# KiCad board TKEEB.kicad_pcb (continued)
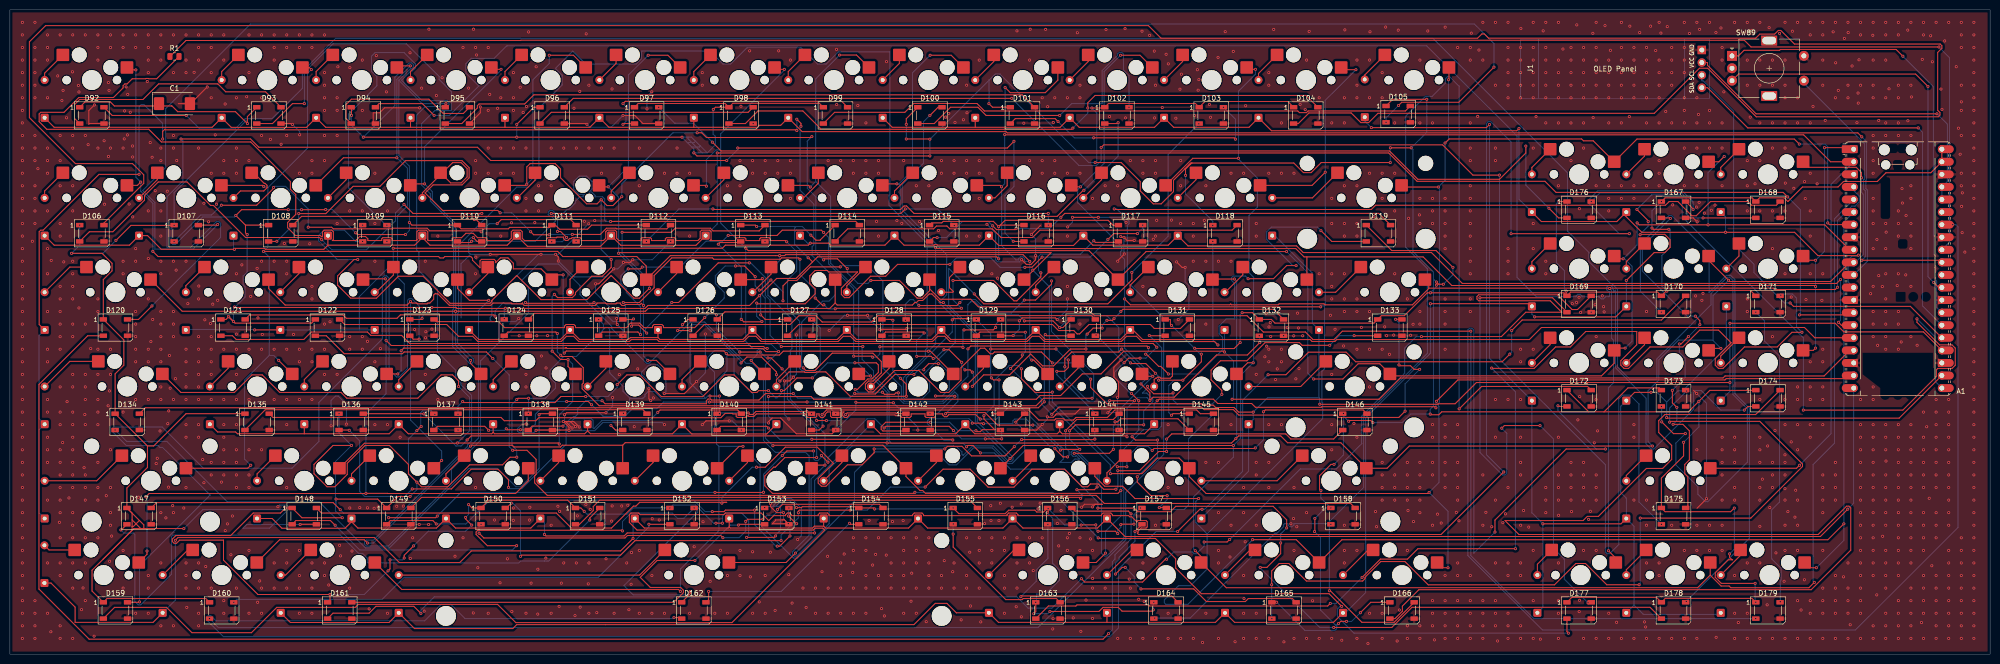
[diagram p0: board, top side]
## Routing (per net, layer and track width the routed paths; a pad name or vN(x,y) marks a point on that pad's centre or on a via; arc(x,y) is an arc through that point) (continued)
  vias: v1(2.51,127.63) v1(2.51,125.09) v1(2.51,122.55) v1(2.51,120.01) v1(2.51,117.47) v1(2.51,114.93) v1(2.51,112.39) v1(2.51,109.85) v1(2.51,107.31) v1(2.51,104.77) v1(2.51,102.23) v1(2.51,99.69) v1(2.51,97.15) v1(2.51,94.61) v1(2.51,92.07) v1(2.51,89.53) v1(2.51,86.99) v1(2.51,84.45) v1(2.51,81.91) v1(2.51,79.37) v1(2.51,76.83) v1(2.51,74.29) v1(2.51,71.75) v1(2.51,69.21) v1(2.51,66.67) v1(2.51,64.13) v1(2.51,61.59) v1(2.51,59.05) v1(2.51,56.51) v1(2.51,53.97) v1(2.51,51.43) v1(2.51,48.89) v1(2.51,46.35) v1(2.51,43.81) v1(2.51,41.27) v1(2.51,38.73) v1(2.51,36.19) v1(2.51,33.65) v1(2.51,31.11) v1(2.51,28.57) v1(2.51,26.03) v1(2.51,23.49) v1(2.51,20.95) v1(2.51,18.41) v1(2.51,15.87) v1(2.51,13.33) v1(2.51,10.79) v1(2.51,8.25) v1(2.51,5.71) v1(2.51,3.17) v1(4.53,83.41) v1(5.05,127.63) v1(5.05,122.55) v1(5.05,120.01) v1(5.05,117.47) v1(5.05,114.93) v1(5.05,112.39) v1(5.05,104.77) v1(5.05,102.23) v1(5.05,99.69) v1(5.05,94.61) v1(5.05,92.07) v1(5.05,89.53) v1(5.05,86.99) v1(5.05,10.79) v1(5.05,8.25) v1(5.05,5.71) v1(5.05,3.17) v1(5.65,98.08) v1(7.59,125.09) v1(7.59,122.55) v1(7.59,120.01) v1(7.59,112.39) v1(7.59,102.23) v1(7.59,99.69) v1(7.59,97.15) v1(7.59,89.53) v1(7.59,81.91) v1(7.59,76.83) v1(7.59,69.21) v1(7.59,61.59) v1(7.59,59.05) v1(7.59,51.43) v1(7.59,48.89) v1(7.59,43.81) v1(7.59,41.27) v1(7.59,38.73) v1(7.59,31.11) v1(7.59,18.41) v1(7.59,8.25) v1(8.26,4.51) v1(8.33,79.54) v1(9.64,116.81) v1(9.98,26.63) v1(10.13,125.09) v1(10.13,104.77) v1(10.13,99.69) v1(10.13,94.61) v1(10.13,86.99) v1(10.13,84.45) v1(10.13,74.29) v1(10.13,71.75) v1(10.13,69.21) v1(10.13,66.67) v1(10.13,64.13) v1(10.13,61.59) v1(10.13,53.97) v1(10.13,48.89) v1(10.13,46.35) v1(10.13,41.27) v1(10.13,38.73) v1(10.13,36.19) v1(10.13,33.65) v1(10.13,31.11) v1(10.13,28.57) v1(10.13,23.49) v1(10.13,18.41) v1(10.13,15.87) v1(10.13,5.71) v1(10.13,3.17) v1(10.49,111.85) v1(10.72,113.89) v1(10.64,42.74) v1(10.86,79.24) v1(11.42,108.35) v1(11.53,51.01) v1(11.91,31.55) v1(12.67,125.09) v1(12.62,117.64) v1(12.67,104.77) v1(12.67,102.23) v1(12.67,94.61) v1(12.67,89.53) v1(12.67,79.37) v1(12.67,76.83) v1(12.67,74.29) v1(12.67,71.75) v1(12.67,66.67) v1(12.67,64.13) v1(12.67,56.51) v1(12.67,53.97) v1(12.67,48.89) v1(12.67,46.35) v1(12.67,43.81) v1(12.67,41.27) v1(12.67,38.73) v1(12.67,36.19) v1(12.67,33.65) v1(12.67,28.57) v1(12.67,26.03) v1(12.67,23.49) v1(12.67,18.41) v1(12.67,13.33) v1(12.67,3.17) v1(13.81,114.89) v1(13.93,113.57) v1(13.92,69.93) v1(14.45,8.98) v1(14.75,13.37) v1(14.96,37.67) v1(15.11,48.4) v1(15.21,125.09) v1(15.21,104.77) v1(15.21,66.67) v1(15.21,56.51) v1(15.21,53.97) v1(15.21,51.43) v1(15.21,46.35) v1(15.21,36.19) v1(15.21,33.65) v1(15.21,31.11) v1(15.21,23.49) v1(15.21,18.41) v1(15.21,10.79) v1(15.78,102.93) v1(16.3,61.73) v1(16.98,3.62) v1(17.75,125.09) v1(17.75,122.55) v1(17.75,120.01) v1(17.75,102.23) v1(17.75,71.75) v1(17.75,69.21) v1(17.75,61.59) v1(17.75,56.51) v1(17.75,51.43) v1(17.75,48.89) v1(17.75,46.35) v1(17.75,38.73) v1(17.75,33.65) v1(17.75,31.11) v1(17.75,23.49) v1(19,103.71) v1(19.08,90.89) v1(19.44,32) v1(19.82,50.17) v1(19.86,115.47) v1(19.88,100.54) v1(20,113.89) v1(20.1,53.17) v1(20.12,18.76) v1(20.29,125.09) v1(20.29,122.55) v1(20.29,102.23) v1(20.29,69.21) v1(20.29,61.59) v1(20.29,56.51) v1(20.29,41.27) v1(20.29,33.65) v1(20.29,28.57) v1(20.29,26.03) v1(20.52,23.85) v1(22.83,125.09) v1(22.83,122.55) v1(22.83,102.23) v1(22.83,79.37) v1(22.83,76.83) v1(22.83,69.21) v1(22.83,48.89) v1(22.83,20.95) v1(22.83,13.33) v1(23.07,104.09) v1(23.14,109.74) v1(23.44,114.59) v1(23.71,104.89) v1(23.76,113.09) v1(24.05,90.93) v1(24.28,109.47) v1(24.73,102.65) v1(24.76,100.43) v1(24.78,88.33) v1(25.37,125.09) v1(25.37,122.55) v1(25.37,81.91) v1(25.37,79.37) v1(25.37,69.21) v1(25.37,66.67) v1(25.37,64.13) v1(25.37,61.59) v1(25.37,59.05) v1(25.37,51.43) v1(25.37,8.25) v1(25.98,31.7) v1(27.71,115.7) v1(27.91,125.09) v1(27.91,122.55) v1(27.91,120.01) v1(27.91,117.47) v1(27.91,89.53) v1(27.91,71.75) v1(27.91,61.59) v1(27.91,59.05) v1(27.91,51.43) v1(27.91,15.87) v1(27.91,13.33) v1(27.91,8.25) v1(27.92,79.92) v1(28.3,103.35) v1(28.44,63.15) v1(28.68,100.38) v1(28.81,67.62) v1(29.31,93.62) v1(29.51,38.5) v1(29.73,39.56) v1(30.28,45.08) v1(30.45,125.09) v1(30.45,122.55) v1(30.45,120.01) v1(30.45,102.23) v1(30.45,99.69) v1(30.45,89.53) v1(30.45,84.45) v1(30.45,79.37) v1(30.45,76.83) v1(30.45,69.21) v1(30.45,66.67) v1(30.45,64.13) v1(30.45,61.59) v1(30.45,59.05) v1(30.45,53.97) v1(30.45,51.43) v1(30.45,28.57) v1(30.45,18.41) v1(30.45,5.71) v1(31.47,27.52) v1(31.74,93.52) v1(31.84,46.55) v1(32,33.73) v1(32.04,49.13) v1(32.17,60.32) v1(32.33,53.72) v1(32.84,30) v1(32.99,125.09) v1(32.99,117.47) v1(32.99,104.77) v1(32.99,102.23) v1(32.99,79.37) v1(32.99,69.21) v1(32.99,66.67) v1(32.99,64.13) v1(32.99,51.43) v1(32.99,28.57) v1(32.99,5.71) v1(33.39,55.64) v1(33.53,77.58) v1(33.66,99.72) v1(35.07,29.51) v1(35.53,125.09) v1(35.53,120.01) v1(35.53,117.47) v1(35.53,79.37) v1(35.53,61.59) v1(35.53,59.05) v1(35.53,56.51) v1(35.53,53.97) v1(35.53,51.43) v1(35.53,46.35) v1(35.53,43.81) v1(35.53,33.65) v1(35.53,18.41) v1(35.53,15.87) v1(35.53,13.33) v1(35.68,9.43) v1(35.89,70.8) v1(37.16,117.53) v1(38.07,125.09) v1(38.07,122.55) v1(38.07,120.01) v1(38.07,102.23) v1(38.1,74.36) v1(38.07,71.75) v1(38.07,64.13) v1(38.07,61.59) v1(38.07,59.05) v1(38.07,56.51) v1(38.07,53.97) v1(38.07,51.43) v1(38.07,46.35) v1(38.07,43.81) v1(38.07,18.41) v1(38.07,13.33) v1(38.07,8.25) v1(38.07,5.71) v1(38.89,39.3) v1(39.14,91.09) v1(39.14,34.63) v1(39.32,67.54) v1(39.51,17.69) v1(40.08,87.34) v1(40.44,66.79) v1(40.61,125.09) v1(40.61,122.55) v1(40.61,117.47) v1(40.61,112.39) v1(40.61,97.15) v1(40.61,64.13) v1(40.61,61.59) v1(40.61,59.05) v1(40.61,56.51) v1(40.61,51.43) v1(40.61,38.73) v1(40.61,36.19) v1(40.61,13.33) v1(40.92,70.7) v1(41.42,104.9) v1(41.67,90.89) v1(41.92,71.48) v1(42.68,34.75) v1(43.15,125.09) v1(43.15,120.01) v1(43.15,99.69) v1(43.15,97.15) v1(43.15,61.59) v1(43.15,51.43) v1(43.15,46.35) v1(43.15,43.81) v1(43.15,41.27) v1(43.15,38.73) v1(43.15,36.19) v1(43.15,10.79) v1(43.15,8.25) v1(43.42,111.14) v1(43.44,24.94) v1(43.89,26.31) v1(44.58,20.07) v1(44.88,27.9) v1(45.69,112.39) v1(45.69,102.23) v1(45.69,99.69) v1(45.69,97.15) v1(45.69,76.83) v1(45.68,64.64) v1(45.69,61.59) v1(45.69,56.51) v1(45.69,51.43) v1(45.69,46.35) v1(45.69,41.27) v1(45.69,38.73) v1(45.69,36.19) v1(45.69,33.65) v1(45.69,13.33) v1(46.79,78.63) v1(47.76,112.6) v1(48.23,125.09) v1(48.23,117.47) v1(48.23,99.69) v1(48.23,61.59) v1(48.23,51.43) v1(48.23,41.27) v1(48.23,36.19) v1(48.23,33.65) v1(48.23,20.95) v1(48.23,8.25) v1(48.58,72.27) v1(49.87,77.93) v1(49.98,10.47) v1(50.04,67.92) v1(50.39,14.78) v1(50.77,125.09) v1(50.77,112.39) v1(50.77,104.77) v1(50.77,79.37) v1(50.77,61.59) v1(50.77,41.27) v1(50.77,13.33) v1(50.77,8.25) v1(50.92,64.58) v1(52.55,104) v1(53.31,125.09) v1(53.31,122.55) v1(53.31,120.01) v1(53.31,79.37) v1(53.31,61.59) v1(53.31,51.43) v1(53.31,18.41) v1(53.31,13.33) v1(54.71,103) v1(55.36,82.97) v1(55.85,125.09) v1(55.85,122.55) v1(55.85,104.77) v1(55.85,79.37) v1(55.85,76.83) v1(55.85,61.59) v1(55.85,51.43) v1(55.85,46.35) v1(55.85,33.65) v1(55.85,20.95) v1(55.85,18.41) v1(55.85,13.33) v1(57.21,64.59) v1(58.39,125.09) v1(58.39,122.55) v1(58.39,97.15) v1(58.39,61.59) v1(58.39,59.05) v1(58.39,51.43) v1(58.39,20.95) v1(58.39,15.87) v1(58.39,13.33) v1(58.39,8.25) v1(60.49,82.89) v1(60.93,125.09) v1(60.93,122.55) v1(60.93,99.69) v1(60.93,97.15) v1(60.93,74.29) v1(60.93,71.75) v1(60.93,61.59) v1(60.93,59.05) v1(60.93,51.43) v1(60.93,18.41) v1(60.93,13.33) v1(60.93,8.25) v1(63.47,125.09) v1(63.47,117.47) v1(63.47,114.93) v1(63.47,112.39) v1(63.47,109.85) v1(63.47,104.77) v1(63.47,99.69) v1(63.47,66.67) v1(63.47,61.59) v1(63.47,56.51) v1(63.47,18.41) v1(63.47,15.87) v1(64.32,13.96) v1(64.58,67.14) v1(66.01,112.39) v1(66.01,109.85) v1(66.01,104.77) v1(66.01,86.99) v1(66.01,56.51) v1(66.16,118.66) v1(66.51,21.99) v1(66.7,19.84) v1(68.58,118.49) v1(68.55,89.53) v1(68.55,64.13) v1(68.55,61.59) v1(68.57,29.52) v1(68.55,13.33) v1(69.01,20.82) v1(70.58,29.59) v1(71.09,120.01) v1(71.09,109.85) v1(71.09,89.53) v1(71.09,64.13) v1(71.09,61.59) v1(72.13,63.19) v1(72.13,29.55) v1(72.47,9.13) v1(73.48,29.46) v1(73.63,97.15) v1(73.63,86.99) v1(73.63,79.37) v1(73.63,59.05) v1(73.63,46.35) v1(73.91,120.91) v1(74.3,29.71) v1(74.74,61.71) v1(75.96,113.59) v1(76.06,83.37) v1(76.17,89.53) v1(76.17,46.35) v1(76.17,8.25) v1(78.04,29.87) v1(78.71,43.81) v1(79.36,29.91) v1(80.72,121.49) v1(80.78,19.33) v1(81.25,23.49) v1(81.65,65.57) v1(82.57,26.19) v1(83.05,114.34) v1(83.57,8.68) v1(83.79,79.37) v1(83.79,56.51) v1(83.91,65.13) v1(83.85,63.9) v1(84.47,26.17) v1(84.53,126.25) v1(85.14,65.66) v1(86.03,112.83) v1(86.33,84.45) v1(86.33,51.43) v1(87.19,116.44) v1(89.79,19.77) v1(90.41,45.27) v1(91.41,122.55) v1(91.41,23.49) v1(92.52,114.35) v1(93.48,8.31) v1(93.52,126.25) v1(93.95,122.55) v1(93.95,99.69) v1(93.95,97.15) v1(93.99,80.19) v1(93.95,76.83) v1(93.95,33.65) v1(94.14,121.04) v1(94.39,17.45) v1(96.49,122.55) v1(96.49,109.85) v1(96.49,102.23) v1(96.49,97.15) v1(96.49,8.25) v1(96.79,113.09) v1(97.77,27.1) v1(98.38,110.28) v1(98.88,14.41) v1(99.03,112.39) v1(99.03,102.23) v1(99.03,97.15) v1(99.03,84.45) v1(100.37,19.25) v1(101.19,87.14) v1(101.26,8.6) v1(101.57,117.47) v1(101.57,112.39) v1(101.57,109.85) v1(101.57,102.23) v1(101.57,97.15) v1(101.56,29.52) v1(101.55,27.03) v1(102.74,64.32) v1(102.94,114.52) v1(103.54,109.42) v1(104.11,102.23) v1(104.11,92.07) v1(104.11,89.53) v1(104.11,56.51) v1(104.11,53.97) v1(104.11,8.25) v1(104.2,110.64) v1(104.64,125.7) v1(104.81,27.08) v1(104.89,29.67) v1(105.14,14.34) v1(105.89,87.17) v1(106.16,118.66) v1(106.3,64.31) v1(106.51,17.15) v1(106.48,8.08) v1(106.65,94.61) v1(106.65,89.53) v1(107.22,60.22) v1(108.12,19.4) v1(108.16,57.81) v1(108.46,64.34) v1(109.19,102.23) v1(109.19,94.61) v1(109.19,26.03) v1(109.19,8.25) v1(110.55,29.87) v1(110.8,9.64) v1(110.9,28.83) v1(111.25,14.34) v1(111.73,102.23) v1(111.73,18.41) v1(113.8,110.28) v1(114,7.78) v1(114.27,102.23) v1(114.23,83.37) v1(114.27,18.41) v1(114.48,27.93) v1(114.97,113.69) v1(115.04,9.49) v1(115.89,87.45) v1(116.2,30.21) v1(116.26,125.31) v1(116.68,14.19) v1(116.81,114.93) v1(116.81,102.23) v1(116.81,18.41) v1(116.81,8.25) v1(117.08,29.25) v1(117.98,87.59) v1(118.4,8.38) v1(119.35,102.23) v1(119.35,97.15) v1(120.26,19.25) v1(121.38,26.86) v1(121.47,114.18) v1(121.49,29.93) v1(121.89,102.23) v1(121.89,8.25) v1(122.93,56.46) v1(123.42,29.92) v1(124.43,18.41) v1(124.66,30.07) v1(124.88,8.97) v1(125.4,20.52) v1(125.32,14.11) v1(125.95,45.94) v1(126.65,57.62) v1(126.97,102.23) v1(126.97,94.61) v1(126.97,20.95) v1(126.97,8.25) v1(129.51,15.87) v1(129.51,8.25) v1(129.58,27.34) v1(129.81,51.75) v1(130.99,27.1) v1(132.05,97.15) v1(132.05,8.25) v1(134.59,102.23) v1(134.59,97.15) v1(137.13,97.15) v1(137.13,84.45) v1(137.13,8.25) v1(138.04,21.69) v1(139.67,117.47) v1(139.67,114.93) v1(139.83,26.74) v1(141.26,14.71) v1(142.21,8.25) v1(143.35,20.97) v1(144.75,94.61) v1(144.75,15.87) v1(144.75,8.25) v1(147.29,99.69) v1(147.29,94.61) v1(147.29,20.95) v1(147.29,15.87) v1(147.48,110.68) v1(149.23,121.88) v1(149.38,15.6) v1(149.83,99.69) v1(149.83,97.15) v1(149.83,20.67) v1(149.83,8.25) v1(149.94,107.18) v1(151.17,10.54) v1(152.37,99.69) v1(152.37,97.15) v1(152.33,83.37) v1(152.37,15.87) v1(152.37,8.25) v1(153.41,20.59) v1(154.37,8.82) v1(154.91,99.69) v1(154.91,97.15) v1(155.09,121.88) v1(157.13,16.05) v1(157.45,120.01) v1(157.45,99.69) v1(157.45,97.15) v1(157.45,92.07) v1(157.45,8.25) v1(157.8,10.31) v1(159.99,13.33) v1(160.63,9.42) v1(162.53,13.33) v1(162.53,8.25) v1(163.83,16.64) v1(164.95,19.77) v1(165.07,99.69) v1(165.07,13.33) v1(165.07,8.25) v1(166.76,122.18) v1(166.79,111.03) v1(167.61,99.69) v1(167.61,18.41) v1(167.61,15.87) v1(167.61,13.33) v1(167.61,8.25) v1(168.3,20.22) v1(170.02,16.5) v1(170.15,99.69) v1(170.15,97.15) v1(170.15,23.49) v1(170.15,20.95) v1(170.15,18.41) v1(170.15,13.33) v1(170.15,8.25) v1(171.06,110.83) v1(172.69,107.31) v1(172.69,99.69) v1(172.69,97.15) v1(172.69,23.49) v1(172.69,20.95) v1(172.69,15.87) v1(172.69,13.33) v1(172.69,8.25) v1(173.33,27.01) v1(174.04,17.99) v1(174.64,20.15) v1(174.83,87.43) v1(175.23,99.69) v1(175.23,97.15) v1(175.23,84.45) v1(175.23,23.49) v1(175.23,15.87) v1(175.23,13.33) v1(175.83,9.2) v1(176.42,7.71) v1(176.8,20) v1(176.84,119.69) v1(177.77,23.49) v1(177.77,18.41) v1(177.77,15.87) v1(177.77,13.33) v1(178.04,26.78) v1(178.94,87.59) v1(179.93,87.02) v1(180.19,26.98) v1(180.31,99.69) v1(180.31,23.49) v1(180.31,20.95) v1(180.31,18.41) v1(180.31,15.87) v1(180.31,13.33) v1(180.31,8.25) v1(181.79,10.69) v1(181.93,16.35) v1(182.85,94.61) v1(182.85,23.49) v1(182.85,20.95) v1(182.85,18.41) v1(182.85,13.33) v1(182.85,8.25) v1(183.53,87.37) v1(184.85,6.55) v1(185.39,94.61) v1(185.39,23.49) v1(185.39,20.95) v1(185.39,18.41) v1(185.39,15.87) v1(185.39,13.33) v1(187.32,85.6) v1(187.93,99.69) v1(187.93,97.15) v1(187.93,15.87) v1(187.93,13.33) v1(188.49,18.88) v1(188.74,108.49) v1(189.41,109.24) v1(190.2,16.64) v1(190.47,99.69) v1(190.47,97.15) v1(190.47,18.41) v1(190.47,13.33) v1(190.67,107.4) v1(191.91,6.92) v1(192.36,107.95) v1(193.01,114.93) v1(193.01,99.69) v1(193.01,97.15) v1(193.01,84.45) v1(193.01,23.49) v1(193.01,15.87) v1(193.01,13.33) v1(193.08,109.36) v1(193.63,20.59) v1(193.78,9.72) v1(195.55,120.01) v1(195.55,99.69) v1(195.55,97.15) v1(195.55,92.07) v1(195.55,84.45) v1(195.55,23.49) v1(195.55,20.95) v1(195.55,18.41) v1(195.55,13.33) v1(195.86,6.5) v1(196.63,26.36) v1(197.87,29.98) v1(197.92,26.97) v1(198.09,99.69) v1(198.09,97.15) v1(198.09,76.83) v1(198.09,23.49) v1(198.09,20.95) v1(198.09,18.41) v1(199.24,75.95) v1(199.53,26.97) v1(199.81,30.48) v1(200.63,23.49) v1(200.63,20.95) v1(200.63,15.87) v1(200.63,13.33) v1(200.63,8.25) v1(202.19,29.68) v1(203.01,9.57) v1(203.16,125.91) v1(203.17,23.49) v1(203.17,18.41) v1(203.17,13.33) v1(204.02,30.33) v1(204.04,7.53) v1(204.54,107.26) v1(205.71,120.01) v1(205.71,99.69) v1(205.71,23.49) v1(205.71,18.41) v1(205.83,126.24) v1(206.44,16.87) v1(207.41,29.31) v1(207.83,30.5) v1(208.25,112.39) v1(208.25,99.69) v1(208.25,97.15) v1(208.25,23.49) v1(208.94,126.22) v1(209.36,110.59) v1(210.38,5.08) v1(210.49,107.41) v1(210.44,7.15) v1(210.79,112.39) v1(210.79,99.69) v1(210.79,97.15) v1(211.3,26.41) v1(211.58,21.86) v1(212.06,29.01) v1(213.33,112.39) v1(213.33,97.15) v1(213.33,84.45) v1(213.33,74.29) v1(213.33,23.49) v1(213.33,20.95) v1(213.74,24.39) v1(214.51,7.31) v1(215.34,125.53) v1(215.87,114.93) v1(215.87,112.39) v1(215.87,97.15) v1(215.87,66.67) v1(215.87,23.49) v1(215.87,20.95) v1(216.05,4.59) v1(217.09,10.91) v1(217.99,23.27) v1(218.41,92.07) v1(218.41,20.95) v1(218.41,13.33) v1(218.41,7.21) v1(218.43,15.3) v1(220.95,94.61) v1(220.95,13.33) v1(221.13,126.17) v1(221.84,108.6) v1(223.49,94.61) v1(223.49,3.17) v1(224.97,126.37) v1(225.05,108.32) v1(225.81,15.16) v1(226.03,99.69) v1(226.03,13.33) v1(226.03,3.17) v1(227.72,11.07) v1(228.39,125.85) v1(228.57,99.69) v1(228.57,97.15) v1(228.57,74.29) v1(228.57,18.41) v1(228.57,3.17) v1(228.83,10.62) v1(229.93,125.01) v1(230.66,83.81) v1(230.87,121.83) v1(230.93,108.33) v1(231.11,114.93) v1(231.11,99.69) v1(231.11,97.15) v1(231.11,84.45) v1(231.11,26.03) v1(231.11,3.17) v1(231.35,87.64) v1(232.47,110.42) v1(233.26,121.18) v1(233.7,119.25) v1(233.65,46.35) v1(233.65,33.65) v1(233.65,8.25) v1(233.65,3.17) v1(234.33,87.68) v1(235.22,108.27) v1(236.04,114.13) v1(236.19,99.69) v1(236.19,94.61) v1(236.19,86.99) v1(236.19,3.17) v1(236.34,117.16) v1(238.73,86.99) v1(238.73,84.45) v1(238.73,79.37) v1(238.73,3.17) v1(238.98,108.79) v1(239.56,118.06) v1(239.71,113.93) v1(239.86,116.07) v1(240.6,2.35) v1(240.95,87.64) v1(241.27,94.61) v1(241.27,79.37) v1(241.27,66.67) v1(241.27,38.73) v1(241.27,8.25) v1(241.98,111.05) v1(242.22,108.46) v1(243.73,120.54) v1(243.81,79.37) v1(243.81,38.73) v1(243.81,28.57) v1(243.81,20.95) v1(243.81,18.41) v1(243.81,3.17) v1(245.17,125.75) v1(246.14,19.62) v1(246.35,97.15) v1(246.35,79.37) v1(246.35,46.35) v1(246.35,26.03) v1(246.81,121.78) v1(247.16,2.5) v1(248.89,97.15) v1(248.89,33.65) v1(248.89,28.57) v1(248.89,15.87) v1(248.89,8.25) v1(248.89,3.17) v1(248.97,11.21) v1(249.2,22.68) v1(249.29,110.78) v1(251.43,86.99) v1(251.43,84.45) v1(251.43,56.51) v1(251.43,38.73) v1(251.43,36.19) v1(251.43,26.03) v1(251.43,8.25) v1(251.43,3.17) v1(253.17,60.07) v1(253.42,68.81) v1(253.54,62.21) v1(253.97,117.47) v1(253.97,114.93) v1(253.97,97.15) v1(254,66.1) v1(253.97,61.59) v1(253.97,59.05) v1(253.97,46.35) v1(253.97,38.73) v1(253.97,33.65) v1(253.97,3.17) v1(254.26,66.98) v1(254.35,64.17) v1(254.96,126.2) v1(255.32,55.45) v1(255.68,57.62) v1(256.51,107.31) v1(256.51,97.15) v1(256.51,61.59) v1(256.51,59.05) v1(256.51,46.35) v1(256.95,64.32) v1(257.02,2.47) v1(257.68,65.94) v1(258.43,26.33) v1(259,64.3) v1(258.95,27.37) v1(259.05,97.15) v1(259.05,33.65) v1(259.05,20.95) v1(259.05,3.17) v1(259.43,55.61) v1(259.62,25.73) v1(259.76,68.88) v1(259.94,65.89) v1(260.06,57.67) v1(260.28,111.05) v1(260.8,64.31) v1(261.31,109.99) v1(261.59,120.01) v1(261.59,28.57) v1(261.59,3.17) v1(262.11,125.8) v1(262.8,10.77) v1(264.13,112.39) v1(264.13,76.83) v1(264.13,3.17) v1(266.4,68.46) v1(266.67,107.31) v1(266.67,92.07) v1(266.67,86.99) v1(266.67,76.83) v1(266.67,74.29) v1(266.67,71.75) v1(266.67,56.51) v1(266.67,46.35) v1(266.67,41.27) v1(266.67,3.17) v1(267.33,65.63) v1(268.69,2.8) v1(269.05,62.25) v1(269.21,112.39) v1(269.21,107.31) v1(269.21,94.61) v1(269.21,86.99) v1(269.21,84.45) v1(269.21,76.83) v1(269.21,71.75) v1(269.21,69.21) v1(269.21,26.03) v1(269.21,20.95) v1(269.21,18.41) v1(269.31,126.11) v1(271.14,46.6) v1(271.75,120.01) v1(271.75,114.93) v1(271.75,112.39) v1(271.75,94.61) v1(271.75,86.99) v1(271.75,84.45) v1(271.75,71.75) v1(271.75,69.21) v1(271.75,61.59) v1(271.75,43.81) v1(271.75,20.95) v1(271.75,3.17) v1(272.64,66.01) v1(273.97,2.13) v1(274.29,120.01) v1(274.29,112.39) v1(274.29,97.15) v1(274.29,69.21) v1(274.29,61.59) v1(274.29,53.97) v1(274.29,8.25) v1(274.38,125.73) v1(275.15,88.4) v1(275.49,28.79) v1(275.71,25.73) v1(276.83,117.47) v1(276.83,112.39) v1(276.83,97.15) v1(276.83,92.07) v1(276.83,61.59) v1(276.83,38.73) v1(276.83,36.19) v1(276.83,33.65) v1(276.83,31.11) v1(276.83,8.25) v1(276.83,3.17) v1(277.34,66.1) v1(277.54,126.68) v1(277.73,64.33) v1(278.31,60.57) v1(279.16,64.45) v1(279.37,107.31) v1(279.37,97.15) v1(279.37,89.53) v1(279.37,76.83) v1(279.37,36.19) v1(279.37,33.65) v1(279.37,31.11) v1(279.86,2.65) v1(280.08,126.06) v1(280.31,8.91) v1(281.91,71.75) v1(281.91,38.73) v1(281.91,36.19) v1(281.91,33.65) v1(281.91,31.11) v1(281.91,20.95) v1(281.91,5.71) v1(281.91,3.17) v1(282.05,29.01) v1(282.17,88.04) v1(282.57,64.42) v1(283.07,66.64) v1(283.16,26.78) v1(284.35,88.73) v1(284.45,120.01) v1(284.45,107.31) v1(284.45,92.07) v1(284.45,86.99) v1(284.45,69.21) v1(284.45,66.67) v1(284.45,38.73) v1(284.45,36.19) v1(284.45,33.65) v1(284.45,31.11) v1(284.45,28.57) v1(284.45,5.71) v1(284.45,3.17) v1(286.04,125.89) v1(286.99,107.31) v1(286.99,92.07) v1(286.99,89.53) v1(286.99,86.99) v1(286.99,46.35) v1(286.99,43.81) v1(286.99,38.73) v1(286.99,36.19) v1(286.99,26.03) v1(286.99,10.79) v1(286.99,8.25) v1(286.99,5.71) v1(287.38,2.87) v1(288,28.27) v1(288.75,26.48) v1(289.55,126.66) v1(289.53,92.07) v1(289.53,89.53) v1(289.53,86.99) v1(289.53,84.45) v1(289.53,81.91) v1(289.53,71.75) v1(289.53,69.21) v1(289.53,66.67) v1(289.53,61.59) v1(289.53,46.35) v1(289.53,43.81) v1(289.53,38.73) v1(289.53,36.19) v1(289.53,33.65) v1(289.53,15.87) v1(289.53,10.79) v1(289.53,8.25) v1(289.53,5.71) v1(289.53,3.17) v1(291.8,28.64) v1(292.07,122.55) v1(292.07,46.35) v1(292.07,43.81) v1(292.07,38.73) v1(292.07,36.19) v1(292.07,33.65) v1(292.07,31.11) v1(292.07,18.41) v1(292.07,15.87) v1(292.07,10.79) v1(292.07,8.25) v1(292.07,5.71) v1(292.07,3.17) v1(292.33,26.93) v1(294.61,122.55) v1(294.61,120.01) v1(294.61,107.31) v1(294.61,102.23) v1(294.61,99.69) v1(294.61,94.61) v1(294.61,92.07) v1(294.61,89.53) v1(294.61,86.99) v1(294.61,84.45) v1(294.61,81.91) v1(294.61,79.37) v1(294.61,76.83) v1(294.61,71.75) v1(294.61,69.21) v1(294.61,15.87) v1(294.61,10.79) v1(294.61,8.25) v1(294.61,5.71) v1(294.61,3.17) v1(294.82,125.45) v1(296.11,108.64) v1(296.36,122.04) v1(297.15,127.63) v1(297.15,120.01) v1(297.15,36.19) v1(297.15,26.03) v1(297.15,10.79) v1(297.15,8.25) v1(297.15,5.71) v1(297.15,3.17) v1(297.76,28.64) v1(298.95,25.73) v1(299.69,127.63) v1(299.69,114.93) v1(299.69,102.23) v1(299.69,99.69) v1(299.69,51.43) v1(299.69,43.81) v1(299.69,31.11) v1(299.69,18.41) v1(299.69,10.79) v1(299.69,8.25) v1(299.69,5.71) v1(300.12,2.65) v1(301.19,26.55) v1(301.71,28.34) v1(302.23,127.63) v1(302.23,122.55) v1(302.23,120.01) v1(302.23,117.47) v1(302.23,114.93) v1(302.23,112.39) v1(302.23,81.91) v1(302.23,79.37) v1(302.23,76.83) v1(302.23,69.21) v1(302.23,51.43) v1(302.23,33.65) v1(302.23,18.41) v1(302.23,15.87) v1(302.23,8.25) v1(302.23,5.71) v1(302.23,3.17) v1(304.82,126.39) v1(304.77,122.55) v1(304.77,120.01) v1(304.77,117.47) v1(304.77,114.93) v1(304.77,112.39) v1(304.77,61.59) v1(304.77,59.05) v1(304.77,51.43) v1(304.77,43.81) v1(304.77,38.73) v1(304.77,36.19) v1(304.77,26.03) v1(304.77,18.41) v1(304.77,15.87) v1(304.77,5.71) v1(304.77,3.17) v1(305.36,29.01) v1(306.4,25.66) v1(307.31,127.63) v1(307.31,122.55) v1(307.31,120.01) v1(307.31,117.47) v1(307.31,114.93) v1(307.31,112.39) v1(307.31,102.23) v1(307.31,86.99) v1(307.31,81.91) v1(307.31,61.59) v1(307.31,20.95) v1(307.31,10.79) v1(307.31,3.17) v1(307.88,108.59) v1(308.76,3.02) v1(309.32,125.91) v1(309.85,127.63) v1(309.85,122.55) v1(309.85,120.01) v1(309.85,117.47) v1(309.85,114.93) v1(309.85,112.39) v1(309.85,107.31) v1(309.85,79.37) v1(309.85,76.83) v1(309.85,33.65) v1(309.85,31.11) v1(309.85,28.57) v1(312.39,127.63) v1(312.39,120.01) v1(312.39,117.47) v1(312.39,114.93) v1(312.39,112.39) v1(312.39,107.31) v1(312.39,94.61) v1(312.39,43.81) v1(312.39,36.19) v1(312.39,33.65) v1(312.39,31.11) v1(312.39,18.41) v1(312.39,10.79) v1(312.39,8.25) v1(312.39,3.17) v1(312.44,28.04) v1(313.3,122.24) v1(314.93,122.55) v1(314.93,120.01) v1(314.93,117.47) v1(314.93,114.93) v1(314.93,112.39) v1(314.93,107.31) v1(314.93,99.69) v1(314.93,38.73) v1(314.93,36.19) v1(314.93,33.65) v1(314.93,31.11) v1(315.04,28.79) v1(315.19,70.79) v1(316.1,127.12) v1(316.06,71.05) v1(316.32,47.32) v1(316.55,72.08) v1(316.58,8.58) v1(316.62,89.99) v1(316.69,52.02) v1(316.65,10.87) v1(316.88,69.04) v1(317.47,122.55) v1(317.47,120.01) v1(317.47,117.47) v1(317.47,114.93) v1(317.47,112.39) v1(317.47,107.31) v1(317.47,102.23) v1(317.47,38.73) v1(317.47,36.19) v1(317.47,33.65) v1(317.47,31.11) v1(317.47,20.95) v1(317.47,3.17) v1(318.47,27.22) v1(318.84,28.86) v1(319.01,69.08) v1(319.34,125.42) v1(319.4,108.39) v1(319.63,42.68) v1(319.8,70.59) v1(320.01,127.63) v1(320.01,122.55) v1(320.01,120.01) v1(320.01,117.47) v1(320.01,114.93) v1(320.01,112.39) v1(320.01,94.61) v1(320.01,64.13) v1(320.01,51.43) v1(320.01,36.19) v1(320.01,33.65) v1(320.01,31.11) v1(320.01,20.95) v1(320.01,3.17) v1(320.29,45.1) v1(321.25,72.38) v1(321.51,70.18) v1(321.62,69.14) v1(321.79,126.97) v1(322.55,120.01) v1(322.55,117.47) v1(322.55,114.93) v1(322.55,112.39) v1(322.55,107.31) v1(322.55,94.61) v1(322.55,92.07) v1(322.55,89.53) v1(322.55,8.25) v1(322.55,3.17) v1(322.88,121.99) v1(324.13,6.43) v1(325.09,127.63) v1(325.09,122.55) v1(325.09,120.01) v1(325.09,117.47) v1(325.09,114.93) v1(325.09,112.39) v1(325.09,107.31) v1(325.09,94.61) v1(325.09,92.07) v1(325.09,3.17) v1(326.7,108.59) v1(326.8,126.86) v1(327.63,122.55) v1(327.63,120.01) v1(327.63,117.47) v1(327.63,114.93) v1(327.63,112.39) v1(327.63,94.61) v1(327.63,92.07) v1(327.63,46.35) v1(327.63,43.81) v1(327.63,31.11) v1(327.63,3.17) v1(328.79,125.56) v1(329.76,6.5) v1(329.99,5.48) v1(330.17,122.55) v1(330.17,120.01) v1(330.17,117.47) v1(330.17,114.93) v1(330.17,112.39) v1(330.17,107.31) v1(330.17,94.61) v1(330.17,69.21) v1(330.17,31.11) v1(330.17,26.03) v1(330.17,18.41) v1(330.17,3.17) v1(330.99,126.86) v1(332.02,121.94) v1(332.71,127.63) v1(332.71,120.01) v1(332.71,117.47) v1(332.71,114.93) v1(332.71,112.39) v1(332.71,107.31) v1(332.71,99.69) v1(332.71,97.15) v1(332.71,94.61) v1(332.71,18.41) v1(332.71,15.87) v1(332.71,3.17) v1(333.07,125.47) v1(334.05,109.63) v1(334.35,126.77) v1(335.25,122.55) v1(335.25,120.01) v1(335.25,117.47) v1(335.25,114.93) v1(335.25,107.31) v1(335.25,31.11) v1(335.25,26.03) v1(335.25,3.17) v1(335.45,90.76) v1(337.79,127.63) v1(337.79,122.55) v1(337.79,120.01) v1(337.79,117.47) v1(337.79,112.39) v1(337.79,109.85) v1(337.79,107.31) v1(337.79,102.23) v1(337.79,94.61) v1(337.79,20.95) v1(337.79,3.17) v1(338.83,125.38) v1(340.07,72.36) v1(340.22,90.31) v1(340.33,127.63) v1(340.33,112.39) v1(340.33,107.31) v1(340.33,102.23) v1(340.33,94.61) v1(340.33,41.27) v1(340.33,26.03) v1(340.33,20.95) v1(340.33,3.17) v1(340.66,109.03) v1(340.78,91.27) v1(340.88,126.22) v1(341.34,71.47) v1(341.56,72.88) v1(341.83,89.09) v1(342.87,127.63) v1(342.87,109.85) v1(342.87,107.31) v1(342.87,102.23) v1(342.87,26.03) v1(342.87,20.95) v1(343.24,89.67) v1(343.98,90.71) v1(344.17,125.58) v1(344.22,3.39) v1(345.18,126.5) v1(345.41,122.55) v1(345.41,120.01) v1(345.41,107.31) v1(345.41,102.23) v1(345.41,94.61) v1(345.41,43.81) v1(345.41,41.27) v1(345.41,38.73) v1(345.41,36.19) v1(345.41,31.11) v1(345.41,26.03) v1(345.41,20.95) v1(345.77,113.6) v1(347.95,127.63) v1(347.95,43.81) v1(347.95,41.27) v1(347.95,38.73) v1(347.95,33.65) v1(347.95,31.11) v1(347.95,15.87) v1(347.95,8.25) v1(347.95,3.17) v1(348.69,6.37) v1(350.49,127.63) v1(350.49,120.01) v1(350.49,114.93) v1(350.49,99.69) v1(350.49,94.61) v1(350.49,89.53) v1(350.49,71.75) v1(350.49,69.21) v1(350.49,18.41) v1(350.49,8.25) v1(350.49,3.17) v1(351.09,108.49) v1(351.39,126.02) v1(352.06,95.01) v1(353.03,127.63) v1(353.03,120.01) v1(353.03,114.93) v1(353.03,107.31) v1(353.03,99.69) v1(353.03,89.53) v1(353.03,51.43) v1(353.03,43.81) v1(353.03,41.27) v1(353.03,38.73) v1(353.03,33.65) v1(353.03,31.11) v1(353.03,25.81) v1(353.03,18.41) v1(353.03,3.17) v1(353.55,35.34) v1(354.5,9.95) v1(354.6,42.05) v1(354.9,126.57) v1(355.04,29.61) v1(355.57,120.01) v1(355.57,114.93) v1(355.57,107.31) v1(355.57,102.23) v1(355.57,89.53) v1(355.57,81.91) v1(355.57,64.13) v1(355.57,38.73) v1(355.57,36.19) v1(355.57,33.65) v1(355.57,3.17) v1(356.09,45.18) v1(356.28,20.45) v1(357.01,125.4) v1(357.92,14.72) v1(358.11,127.63) v1(358.11,120.01) v1(358.11,114.93) v1(358.11,112.39) v1(358.11,107.31) v1(358.11,102.23) v1(358.11,89.53) v1(358.11,76.83) v1(358.11,51.43) v1(358.11,46.35) v1(358.1,40.26) v1(358.11,38.73) v1(358.11,36.19) v1(358.1,33.41) v1(358.11,31.11) v1(358.11,26.03) v1(358.11,20.95) v1(358.11,3.17) v1(358.17,95.16) v1(358.69,28.79) v1(359.36,72.14) v1(359.36,42.87) v1(359.6,125.84) v1(359.89,94.11) v1(360.11,27.67) v1(360.26,33.11) v1(360.65,127.63) v1(360.65,112.39) v1(360.65,107.31) v1(360.65,53.97) v1(360.65,51.43) v1(360.65,46.35) v1(360.65,41.27) v1(360.65,31.11) v1(360.65,26.03) v1(360.65,20.95) v1(360.65,10.79) v1(360.65,3.17) v1(361.35,8.91) v1(362.02,15.01) v1(362.05,95.45) v1(362.19,92.03) v1(362.34,71.62) v1(363.19,127.63) v1(363.19,125.09) v1(363.19,107.31) v1(363.19,97.15) v1(363.19,89.53) v1(363.19,84.45) v1(363.19,76.83) v1(363.19,59.05) v1(363.19,53.97) v1(363.19,51.43) v1(363.19,46.35) v1(363.19,43.81) v1(363.19,10.79) v1(363.19,8.25) v1(363.19,3.17) v1(363.76,110.65) v1(364.58,95.01) v1(365.55,71.47) v1(365.73,127.63) v1(365.73,125.09) v1(365.73,120.01) v1(365.73,114.93) v1(365.73,76.83) v1(365.73,61.59) v1(365.73,59.05) v1(365.73,53.97) v1(365.73,51.43) v1(365.73,46.35) v1(365.73,36.19) v1(365.73,33.65) v1(365.73,31.11) v1(365.73,28.57) v1(365.73,20.95) v1(365.73,13.33) v1(365.73,10.79) v1(365.73,8.25) v1(365.73,3.17) v1(366.22,107.82) v1(367.82,125.72) v1(368.27,127.63) v1(368.27,112.39) v1(368.27,38.73) v1(368.27,36.19) v1(368.27,33.65) v1(368.27,31.11) v1(368.27,15.87) v1(368.27,13.33) v1(368.27,10.79) v1(368.27,8.25) v1(368.27,3.17) v1(368.32,119.46) v1(368.86,113.9) v1(369.91,15.61) v1(370.08,124.39) v1(370.81,127.63) v1(370.81,114.93) v1(370.81,112.39) v1(370.81,18.41) v1(370.81,13.33) v1(370.81,10.79) v1(370.81,8.25) v1(370.81,3.17) v1(370.85,125.57) v1(371.26,5.93) v1(371.64,118.82) v1(372.62,107.37) v1(372.84,113.35) v1(372.89,111.32) v1(373.04,120.06) v1(373.35,127.63) v1(373.35,125.09) v1(373.35,114.93) v1(373.35,51.43) v1(373.35,46.35) v1(373.35,43.81) v1(373.35,41.27) v1(373.35,38.73) v1(373.35,36.19) v1(373.35,33.65) v1(373.35,31.11) v1(373.35,28.57) v1(373.35,26.03) v1(373.35,23.49) v1(373.35,20.95) v1(373.35,18.41) v1(373.35,15.87) v1(373.35,13.33) v1(373.35,10.79) v1(373.35,8.25) v1(373.35,3.17) v1(375.38,72.81) v1(375.82,125.02) v1(375.89,127.63) v1(375.89,120.01) v1(375.89,114.93) v1(375.89,112.39) v1(375.89,104.77) v1(375.89,102.23) v1(375.89,99.69) v1(375.89,97.15) v1(375.89,92.07) v1(375.89,89.53) v1(375.89,86.99) v1(375.89,81.91) v1(375.89,74.29) v1(375.89,69.21) v1(375.89,66.67) v1(375.89,64.13) v1(375.89,53.97) v1(375.89,51.43) v1(375.89,46.35) v1(375.89,43.81) v1(375.89,41.27) v1(375.89,38.73) v1(375.89,36.19) v1(375.89,33.65) v1(375.89,31.11) v1(375.89,28.57) v1(375.89,26.03) v1(375.89,23.49) v1(375.89,20.95) v1(375.89,18.41) v1(375.89,15.87) v1(375.89,5.71) v1(375.89,3.17) v1(376.65,83.76) v1(376.62,11.96) v1(376.79,62.39) v1(377.02,107.82) v1(377.02,76.46) v1(377.74,74.25) v1(377.81,23.8) v1(378.43,127.63) v1(378.43,125.09) v1(378.43,120.01) v1(378.43,112.39) v1(378.43,107.31) v1(378.43,104.77) v1(378.43,86.99) v1(378.51,85.25) v1(378.43,81.91) v1(378.43,76.83) v1(378.43,71.75) v1(378.43,69.21) v1(378.43,66.67) v1(378.43,64.13) v1(378.43,61.59) v1(378.43,46.35) v1(378.43,43.81) v1(378.43,41.27) v1(378.48,39) v1(378.43,36.19) v1(378.43,33.65) v1(378.43,31.11) v1(378.43,28.57) v1(378.43,26.03) v1(378.43,20.95) v1(378.43,18.41) v1(378.43,15.87) v1(378.43,13.33) v1(378.43,8.25) v1(378.43,5.71) v1(378.43,3.17) v1(379.09,114.2) v1(380.74,74.45) v1(380.97,127.63) v1(380.97,125.09) v1(380.97,114.93) v1(380.97,112.39) v1(380.97,107.31) v1(380.97,104.77) v1(380.97,89.53) v1(380.97,86.99) v1(380.97,84.45) v1(380.97,76.83) v1(380.97,69.21) v1(380.97,66.67) v1(380.97,61.59) v1(380.97,46.35) v1(380.97,43.81) v1(380.97,41.27) v1(380.97,38.73) v1(380.97,36.19) v1(380.97,33.65) v1(380.97,31.11) v1(380.97,28.57) v1(380.97,26.03) v1(380.97,23.49) v1(380.97,20.95) v1(380.97,18.41) v1(380.97,15.87) v1(380.97,10.79) v1(380.97,8.25) v1(380.97,5.71) v1(380.97,3.17) v1(381.55,63.06) v1(381.71,94.04) v1(381.79,91.13) v1(382.46,76.61) v1(382.53,88.6) v1(382.87,126.07) v1(382.9,107.75) v1(383.51,127.63) v1(383.51,114.93) v1(383.51,104.77) v1(383.51,94.61) v1(383.51,92.07) v1(383.51,86.99) v1(383.51,84.45) v1(383.51,81.91) v1(383.51,74.29) v1(383.51,64.13) v1(383.51,46.35) v1(383.51,43.81) v1(383.51,41.27) v1(383.51,38.73) v1(383.51,36.19) v1(383.51,33.65) v1(383.51,31.11) v1(383.51,28.57) v1(383.51,26.03) v1(383.51,23.49) v1(383.51,20.95) v1(383.51,18.41) v1(383.51,13.33) v1(383.51,10.79) v1(383.51,8.25) v1(383.51,5.71) v1(383.51,3.17) v1(383.61,112.56) v1(384.76,62.39) v1(385.63,6.37) v1(385.8,120.16) v1(386.05,127.63) v1(386.05,125.09) v1(386.05,48.89) v1(386.05,43.81) v1(386.05,41.27) v1(386.05,38.73) v1(386.05,36.19) v1(386.05,33.65) v1(386.05,28.57) v1(386.05,26.03) v1(386.05,23.49) v1(386.05,20.95) v1(386.05,15.87) v1(386.05,13.33) v1(386.05,10.79) v1(386.05,8.25) v1(386.05,3.17) v1(386.69,45.93) v1(387.2,31.48) v1(387.49,124.92) v1(387.72,17.85) v1(387.83,119.66) v1(388.59,127.63) v1(388.59,51.43) v1(388.59,48.89) v1(388.59,46.35) v1(388.59,43.81) v1(388.59,41.27) v1(388.59,38.73) v1(388.59,36.19) v1(388.59,33.65) v1(388.59,28.57) v1(388.59,26.03) v1(388.59,23.49) v1(388.59,15.87) v1(388.59,13.33) v1(388.59,10.79) v1(388.59,8.25) v1(388.59,5.71) v1(388.59,3.17) v1(389.57,114.15) v1(389.77,110.03) v1(390.32,123.88) v1(391.13,127.63) v1(391.13,51.43) v1(391.13,48.89) v1(391.13,46.35) v1(391.13,43.81) v1(391.13,41.27) v1(391.13,38.73) v1(391.13,36.19) v1(391.13,33.65) v1(391.13,31.11) v1(391.13,28.57) v1(391.13,26.03) v1(391.13,20.95) v1(391.13,18.41) v1(391.13,15.87) v1(391.13,13.33) v1(391.13,10.79) v1(391.13,8.25) v1(391.13,5.71) v1(391.13,3.17) v1(392.65,118.67) v1(393.1,106.25) v1(393.44,100.99) v1(393.67,127.63) v1(393.67,125.09) v1(393.67,122.55) v1(393.67,114.93) v1(393.69,111.57) v1(393.67,109.85) v1(393.67,104.77) v1(393.67,97.15) v1(393.67,94.61) v1(393.67,23.49) v1(393.67,20.95) v1(393.67,18.41) v1(393.67,15.87) v1(393.67,13.33) v1(393.67,10.79) v1(393.67,8.25) v1(393.67,5.71) v1(393.67,3.17) v1(393.74,90.46) v1(393.89,93.19) v1(393.84,85.15) v1(394.39,81.22) v1(396.21,127.63) v1(396.21,125.09) v1(396.21,122.55) v1(396.21,120.01) v1(396.21,117.47) v1(396.21,114.93) v1(396.21,112.39) v1(396.21,109.85) v1(396.21,107.31) v1(396.21,104.77) v1(396.21,102.23) v1(396.21,99.69) v1(396.21,97.15) v1(396.21,94.61) v1(396.21,92.07) v1(396.21,89.53) v1(396.21,86.99) v1(396.21,84.45) v1(396.21,81.91) v1(396.21,79.37) v1(396.21,76.83) v1(396.21,74.29) v1(396.21,71.75) v1(396.21,69.21) v1(396.21,66.67) v1(396.21,64.13) v1(396.21,61.59) v1(396.21,59.05) v1(396.21,56.51) v1(396.21,53.97) v1(396.21,51.43) v1(396.21,48.89) v1(396.21,46.35) v1(396.21,43.81) v1(396.21,41.27) v1(396.21,38.73) v1(396.21,36.19) v1(396.21,33.65) v1(396.21,31.11) v1(396.21,28.57) v1(396.21,26.03) v1(396.21,23.49) v1(396.21,20.95) v1(396.21,18.41) v1(396.21,15.87) v1(396.21,13.33) v1(396.21,10.79) v1(396.21,8.25) v1(396.21,5.71) v1(396.21,3.17)
